# KiCad board kibot_a7dshx9q.kicad_pcb (continued)
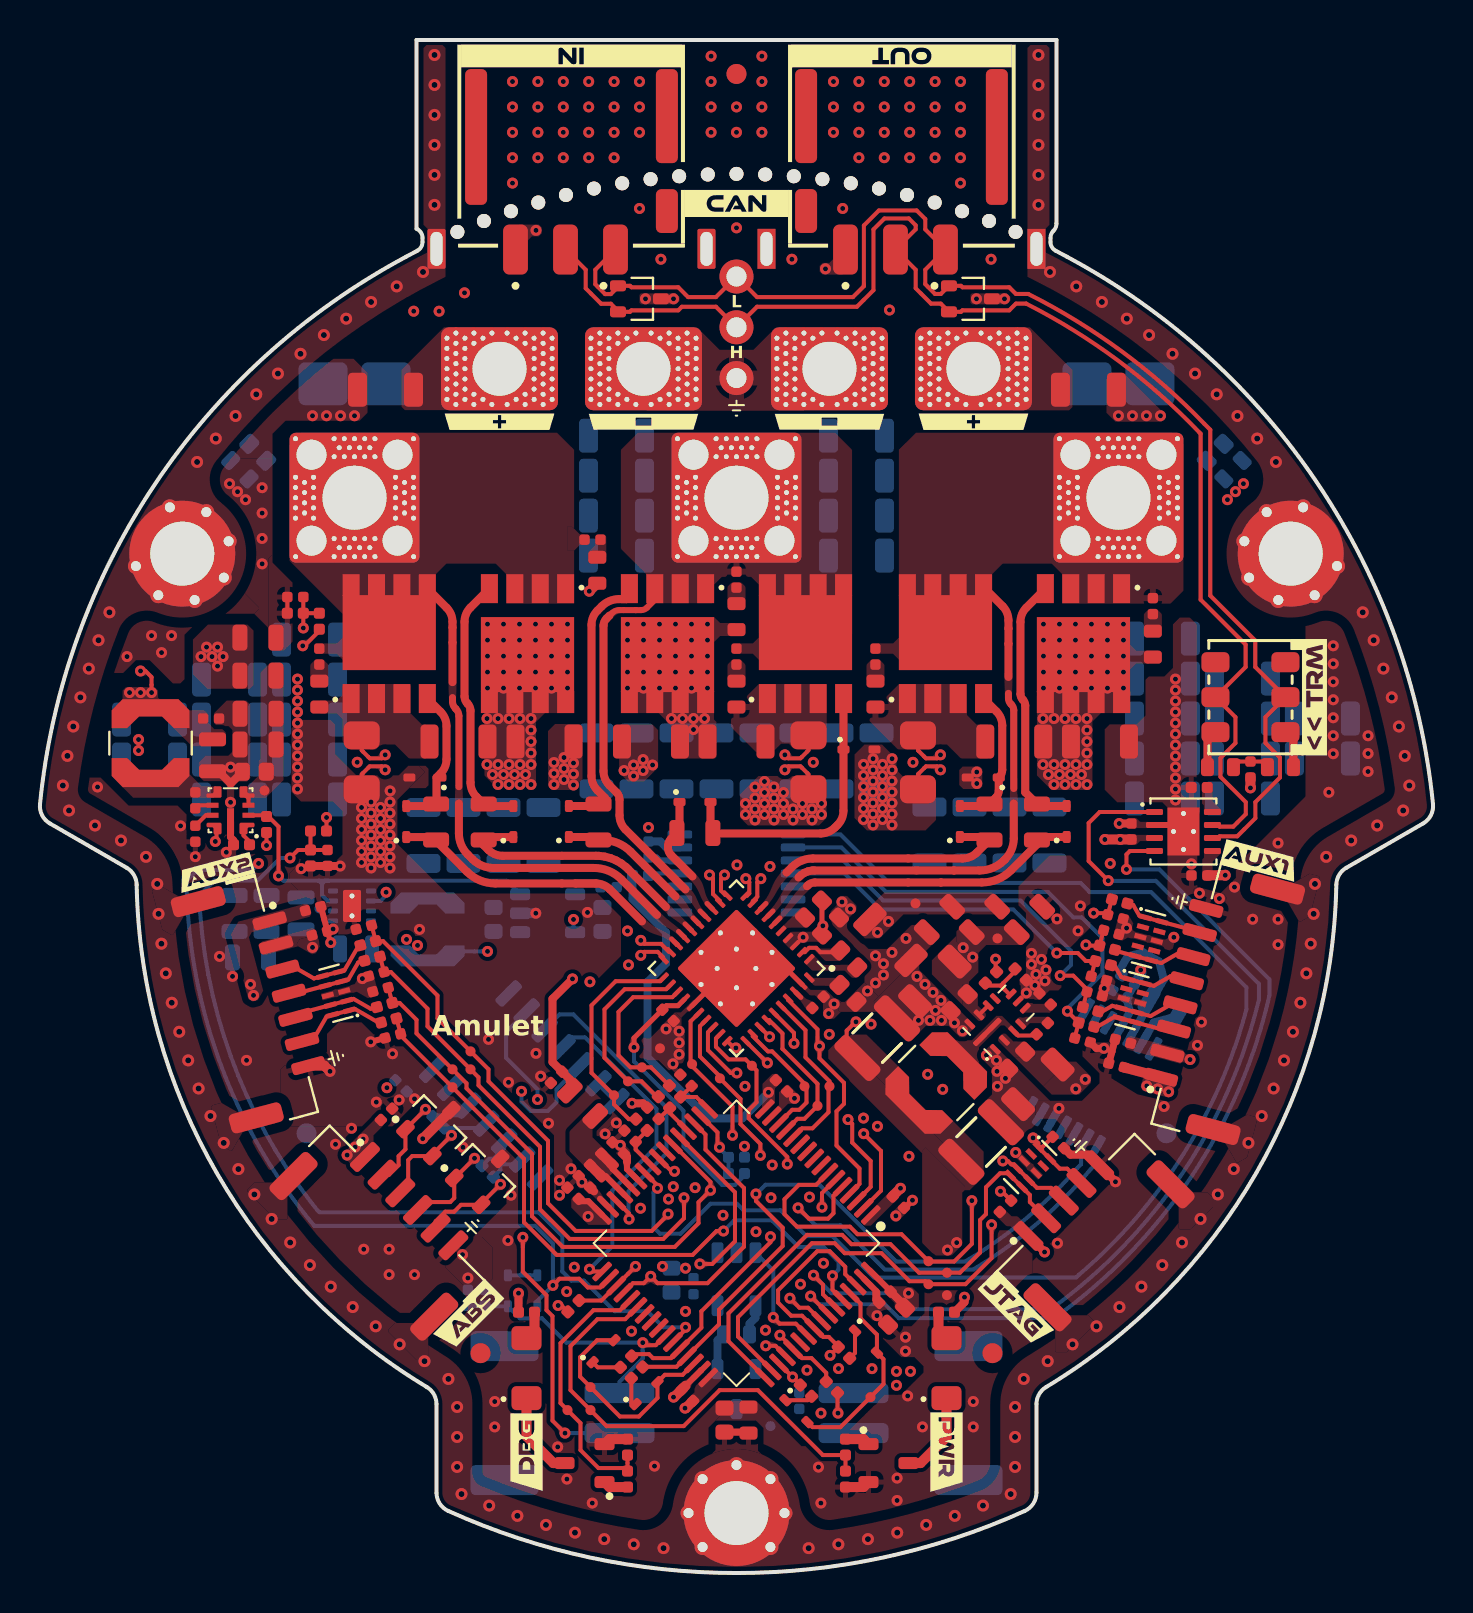
[diagram p0: board, top side]
## Routing (per net, layer and track width the routed paths; a pad name or vN(x,y) marks a point on that pad's centre or on a via; arc(x,y) is an arc through that point) (continued)

## Copper pours and planes (outline as drawn; the poured copper is in the pictures)
+3V3 on L1 (Sig, PWR): 36.1,23.28 36.1,24.45 36.63,24.98 36.88,24.98 37.1,24.75 37.1,24.6 36.75,24.25 36.75,23.53 36.33,23.1 36.28,23.1
+3V3 on L1 (Sig, PWR): 32.73,9.31 32.73,9.05 32.45,8.77 32.45,8.76 32.81,8.4 34.07,9.66 34.07,9.98 33.8,10.25 33.67,10.25
+3V3 on L1 (Sig, PWR): 13.6,30.96 12.86,31.38 12.84,31.47 12.98,31.71 13.83,31.94 13.87,31.91 14.01,31.39 13.8,31.01
+3V3 on L1 (Sig, PWR): 13.81,32.16 13.62,32.27 11,31.57 10.91,31.42 11.02,31.02 11.21,30.9 13.68,31.56 13.88,31.9
+3V3 on L1 (Sig, PWR): 48.08,18.35 48.58,17.85 48.88,17.85 49.28,17.45 48.88,17.05 48.83,17.05 48.53,17.35 48.33,17.35 47.83,17.85 47.83,18.1
+3V3 on L1 (Sig, PWR): 54.23,26.4 54.35,26.2 57.53,25.35 57.77,25.48 57.84,25.74 57.67,26.03 54.53,26.87 54.33,26.76
+3V3 on L1 (Sig, PWR): 26.85,18.99 26.57,18.71 26.57,18.28 27.43,17.42 28.44,17.42 28.44,17.55 26.99,19 26.85,19
+3V3 on L1 (Sig, PWR): 42.23,14.14 42.44,14.35 43.56,14.35 43.95,13.96 43.95,13.33 43.43,12.81 43.19,12.81 42.74,13.26 42.74,13.51 42.23,14.02
+3V3 on L1 (Sig, PWR): 42.57,19.15 42.69,19.15 42.95,18.89 42.95,18.78 41.55,17.38 41.24,17.38 41.05,17.57 41.05,17.63
+3V3 on L6 (Sig, PWR): 20,26.05 20.14,26.05 21.35,24.85 21.35,24.71 20.11,23.47 19.97,23.47 18.77,24.67 18.77,24.82
+3V3 on L6 (Sig, PWR): 29.9,34.74 29.9,35.34 30.11,35.55 30.47,35.55 30.58,35.66 30.58,35.99 30.51,36.06 29.6,36.06 29.35,35.81 29.35,34.82 29.43,34.74
+3V3 on L6 (Sig, PWR): 16.48,30.35 16.25,30.58 16.25,31.8 16.45,32 18.65,32 19.87,30.78 19.86,30.35
+3V3 on L6 (Sig, PWR): 17.89,25.23 19.26,25.23 19.26,24.84 19.04,24.62 18.09,24.62 17.46,23.99 17.25,23.99 17.06,24.18 17.06,24.4
+3V3 on L4 (Sig, PWR): 35.76,24.03 36.24,24.51 37.22,24.51 40.18,21.55 41.56,21.55 41.77,21.76 41.77,24.19 47.2,29.62 47.2,32.4 51.05,36.25 54.82,36.25 56.06,35.01 56.5,35.01 56.51,32.93 53.38,32.93 52.55,33.83 51.33,33.83 49.39,31.89 49.39,25.51 43.81,19.93 43.81,19.34 42.65,18.18 41.94,18.18 39.18,20.94 37.72,20.94 35.76,22.9
+3V3 on L4 (Sig, PWR): 4.52,30.77 4.52,15.25 20.93,-1.16 49.01,-1.16 66.15,15.98 66.15,35.1 65.09,36.16 59.18,36.16 58.03,35.01 53.81,35.01 53.27,34.47 53.27,26.1 46.46,19.29 46.47,17.69 39.99,11.21 39.99,10.72 38.1,8.83 35.2,8.83 32.79,11.25 32.79,13.24 32.5,13.53 29.73,13.53 28.15,15.11 28.15,17.67 27.61,18.21 27.31,18.21 26.77,17.67 26.77,16.61 25.31,15.15 23.14,15.15 21.54,16.75 21.54,30.46 20.06,31.96 5.69,31.96
+5V on L1 (Sig, PWR): 4.13,43.68 4.13,44.15 4.3,44.33 5.73,44.33 5.9,44.15 5.9,43.8 6.03,43.68
+5V on L1 (Sig, PWR): 55.24,25.07 55.04,24.32 55.15,24.13 56.46,23.77 56.69,23.91 56.88,24.63
+5V on L1 (Sig, PWR): 9.55,31.95 9.92,32.59 13.31,33.5 13.47,33.41 13.58,32.99 13.49,32.84 10.59,32.06 10.45,31.81 11.16,29.13 10.89,28.66 10.64,28.59 10.42,28.72
+5V on L1 (Sig, PWR): 7.61,41.36 6.7,42.27 6.7,42.7 7.16,43.16 8.22,43.16 8.42,42.96 8.42,42.52 8.72,42.22 9.12,42.22 9.3,42.04 9.3,41.53 9.13,41.36
+5V on L1 (Sig, PWR): 16.04,22 16.88,22.84 17.23,22.49 17.23,22.45 16.68,21.9 16.68,21.5 16.54,21.5
+5V on L1 (Sig, PWR): 16.82,21.45 16.27,22 16.04,22 15.08,21.04 15.08,20.78 15.61,20.25
+5V on L6 (Sig, PWR): 10.68,29.7 9.78,28.8 9.78,28.3 10.53,27.55 12.83,27.55
+5V on L6 (Sig, PWR): 10.68,32.3 10.68,30.4 10.93,30.15 11.73,30.15 11.98,30.4 11.98,32.3
+5V on L6 (Sig, PWR): 34.18,12.94 34.18,14.13 34.08,14.23 32.18,14.23 31.98,14.43 31.23,14.43 31.13,14.33 31.12,13.75 32.07,12.8 34.04,12.8
+5V on L6 (Sig, PWR): 11.98,30.4 13.23,29.15 21.48,29.15 23.19,30.86 23.19,31.76 23.38,31.95 24.5,31.95 24.5,30.83 21.22,27.55 12.83,27.55 10.68,29.7 10.68,30.4
+5V on L6 (Sig, PWR): 24.31,32.36 23.35,32.36 23.23,32.48 22.7,32.48 22.59,32.37 22.59,31.89 22.75,31.73 23.09,31.73 23.24,31.58 23.57,31.58 24.31,32.32
+5V on L3 (Sig, PWR): 0.94,51.11 7.01,51.11 11.64,46.47 11.64,26.64 24.24,14.06 24.24,10.29 24.76,9.77 28.34,9.77 31.93,13.36 32.42,13.36 32.55,13.23 32.55,11.2 35.72,8.03 42.43,8.03 44.95,10.55 44.95,12.91 54.97,22.93 54.97,35.41 54.22,36.16 53.12,36.16 52.86,36.42 52.86,36.93 53.02,37.09 55.31,37.09 56.52,35.88 56.52,28.05 64.73,19.84 64.73,13.85 48.12,-2.76 21.5,-2.76 -1.6,20.34 -1.6,48.57
+5V on L3 (Sig, PWR): 8.06,47.24 9.35,47.24 10.01,46.58 10.01,45.26 9.25,44.49 7.97,44.49 7.22,45.24 7.22,46.41
+12V on L1 (Sig, PWR): 46.26,19.17 46.12,19.03 46.12,18.22 46.12,18.22 46.12,16.42 45.57,15.87 44.76,15.87 44.11,16.52 44.11,21.1 44.3,21.29 46.26,19.33
+12V on L1 (Sig, PWR): 46.51,19.46 39.62,26.35 40.2,26.94 41.33,26.94 43.45,24.82 43.45,24 44.3,23.15 45.12,23.15 47.18,21.09 47.18,20.13
+12V on L1 (Sig, PWR): 39.88,26.61 39.42,26.15 39.42,25.69 45.96,19.15 46.49,19.15 47,19.66 40.05,26.61
+12V on L6 (Sig, PWR): 42.37,8.5 43.83,9.96 43.83,10.2 43.6,10.43 42.73,10.43 41.58,9.28 41.58,8.62 41.7,8.5
+12V on L6 (Sig, PWR): 37.81,9.27 38.39,9.27 38.62,9.5 39.31,9.5 39.31,8.5 38.62,8.5 38.37,8.75 37.82,8.75 37.81,8.76
+12V on L3 (Sig, PWR): 45.83,17 42.38,13.55 42.38,9.25 42.53,9.1 42.95,9.1 44.63,10.78 44.63,12.95 46.88,15.2 46.88,16.4 46.28,17
+A3V3 on L6 (Sig, PWR): 26.26,32.04 26.26,29.67 26.63,29.3 27.77,29.3 28.58,30.11 28.58,31.94 28.48,32.04
+A3V3 on L3 (Sig, PWR): 30.35,30.25 32.21,28.39 32.21,24.51 33.29,23.43 33.29,22.57 29.56,18.84 28.77,18.84 26.75,20.86 26.16,20.86 25.19,19.89 25.19,17.1 24.59,16.5 23.89,16.5 23.23,17.16 23.23,19.55 26.37,22.69 26.37,27 24.59,28.78 24.59,29.94 24.9,30.25
+VBAT on L1 (Sig, PWR): 33.11,44.1 33.7,43.51 33.7,42.7 33.83,42.58 33.83,40.82 33.75,40.75 31.68,40.75 31.55,40.88 31.55,42.4 30.93,43.03 29.05,43.03 29.05,44.1
+VBAT on L1 (Sig, PWR): 21.03,58.18 18.25,58.18 18.08,58.35 18.08,60.2 20.21,62.33 21.03,62.33
+VBAT on L1 (Sig, PWR): 37.13,31.65 37.13,31.6 37.58,31.15 37.65,31.15 38.03,31.53 38.98,31.53 39.15,31.7 38.77,32.09 37.56,32.09
+VBAT on L1 (Sig, PWR): 42.22,34.05 47.63,34.05 48.48,33.2 48.03,32.75 47.93,32.75 47.73,32.95 43.18,32.95 41.98,31.75 41.25,31.75 40.66,32.35 40.66,32.49
+VBAT on L1 (Sig, PWR): 55.62,46.15 54.81,46.15 54.51,46.45 54.34,46.45 54.32,46.43 54.32,45.15 54.46,45.15 54.81,45.5 55.62,45.5
+VBAT on L1 (Sig, PWR): 22.23,44.1 26.73,44.1 26.73,43.03 25.25,43.03 24.8,42.58 24.8,39.33 22.8,39.33 22.23,39.9
+VBAT on L1 (Sig, PWR): 10.5,44.24 10.68,44.42 10.68,47.15 10.38,47.45 8.39,47.45 7.65,46.71 7.65,44.97 8.37,44.24
+VBAT on L1 (Sig, PWR): 34.82,47.53 34.01,47.53 33.71,47.83 33.54,47.83 33.52,47.81 33.52,46.53 33.66,46.53 34.01,46.88 34.82,46.88
+VBAT on L1 (Sig, PWR): 49.85,43.88 50.08,44.1 54.53,44.1 54.53,43.03 53.05,43.03 52.63,42.6 52.63,39.38 52.43,39.18 50.58,39.18 49.85,39.9
+VBAT on L1 (Sig, PWR): 48.68,58.17 51.46,58.17 51.63,58.34 51.63,60.19 49.5,62.32 48.68,62.32
+VBAT on L6 (Sig, PWR): 14.53,49.65 11.13,49.65 6.43,44.95 6.43,38.89 7.42,37.9 8.48,37.9 8.56,37.98 8.56,44.83 11.83,48.1 13.3,48.1 14.25,47.15 14.53,47.15
+VBAT on L6 (Sig, PWR): 24.82,37.8 25.89,37.8 26.03,37.94 26.03,38.66 25.91,38.78 24.96,38.78 24.77,38.97 24.66,38.97 24.66,37.96
+VBAT on L6 (Sig, PWR): 46.74,37.8 43.78,37.8 43.63,37.95 43.63,38.71 43.73,38.81 46.16,38.81 46.74,38.22
+VBAT on L6 (Sig, PWR): 25.9,58.31 26.46,57.75 28.43,57.75 29.06,57.12 29.06,50.05 29.66,49.45 40,49.45 40.6,50.06 40.6,57.12 41.23,57.75 43.19,57.75 43.76,58.32 43.76,60.95 49.62,60.95 49.62,50.51 50.53,49.65 55.13,49.65 55.43,49.35 55.43,38.1 55.18,37.85 54.43,37.85 54.23,38.05 51.43,38.05 51.18,37.8 46.74,37.8 46.15,38.4 46.15,40.72 45.31,41.56 25.43,41.56 24.82,40.95 24.82,37.8 18.58,37.8 18.33,38.05 18.33,41.15 17.88,41.6 16.17,41.6 15.35,40.79 15.35,37.93 15.23,37.8 14.53,37.8 14.23,38.1 14.23,49.35 14.53,49.65 19.13,49.65 20.04,50.51 20.04,60.8 25.9,60.8
+VBAT on L6 (Sig, PWR): 55.09,49.65 58.49,49.65 63.19,44.95 63.19,38.96 62.13,37.9 61.14,37.9 61.06,37.98 61.06,44.83 57.79,48.1 56.32,48.1 55.37,47.15 55.09,47.15
+VBAT on L6 (Sig, PWR): 20.83,62.33 18,62.33 16.08,60.4 16.08,58.53 16.43,58.18 19.48,58.18 20.08,57.58 20.9,57.58 20.9,62.25
+VBAT on L6 (Sig, PWR): 48.83,62.33 51.65,62.33 53.58,60.4 53.58,58.53 53.23,58.18 50.18,58.18 49.58,57.58 48.75,57.58 48.75,62.25
+VBAT on L3 (Sig, PWR), L4 (Sig, PWR): 25.93,61.85 25.93,58.2 27.03,57.1 29.33,57.1 30.33,56.1 30.33,50.1 30.78,49.65 38.93,49.65 39.33,50.05 39.33,56.1 40.33,57.1 42.63,57.1 43.73,58.2 43.73,60.95 49.63,60.95 49.63,50.55 50.53,49.65 53.9,49.65 54.5,49.05 54.5,44.01 54.24,43.75 53.15,43.75 52.64,43.24 52.64,39.28 51.81,38.45 47.94,38.45 47.84,38.55 47.84,40.37 46.65,41.56 25.44,41.56 24.83,40.95 24.83,39.09 24.61,38.88 20.68,38.88 20.03,39.53 20.03,61.85
+VBAT on L4 (Sig, PWR): 43.48,34.2 42.33,34.2 40.88,32.75 38.33,32.75 37.88,32.3 37.88,31.83 38.22,31.49 41.69,31.49 43.05,32.85 44.14,32.85 48.74,37.45 47.98,36.7 50.28,39 50.28,39.17 49.89,39.56 48.84,39.56
/Project Architecture/Power - Generation/VCC_12V on L1 (Sig, PWR): 49.12,27.99 50.45,27.99 50.81,28.35 50.45,28.7 50.22,28.47 49.66,28.47 49.59,28.54 49.37,28.54 48.97,28.14
GND on L1 (Sig, PWR): 41.25,13.18 41.25,13.03 42.15,12.13 42.2,12.13 42.7,12.63 42.7,12.65 42.55,12.8 42.55,13.23 41.95,13.83 41.9,13.83
GND on L1 (Sig, PWR): 49.63,15.6 53.88,19.85 53.08,19.85 52.18,20.75 51.48,20.75 51.23,21 51.23,22.25 50.75,22.73 49.89,22.73 49.78,22.84 49.78,23.5 49.9,23.63 52.1,23.63 52.98,24.5 52.98,25 52.13,25.85 52.13,26.2 52.48,26.55 53.43,26.55 53.58,26.4 53.58,24.75 54.87,23.95 56.45,23.58 56.75,23.75 58.94,32.32 58.63,32.85 57.23,33.2 56.88,33.2 56.38,33.7 56.38,35.95 56.73,36.3 57.65,36.3 57.87,36.08 57.87,34.33 58.23,33.97 58.99,33.97 59.8,34.78 59.8,35.37 60.58,36.15 63.73,36.15 65.38,34.5 65.38,21.1 54.33,10.05 52.18,10.05 49.63,12.6
GND on L1 (Sig, PWR): 36.03,7.63 36.13,7.73 36.13,8.3 35.8,8.63 33.9,8.63 33.55,8.28 33.55,7.83 33.75,7.63
GND on L1 (Sig, PWR): 56.12,38.56 56.56,38.12 57.84,38.12 57.84,47.46 57.5,47.8 56.99,47.8 56.65,47.46 56.65,45.29 56.22,44.86 55.45,44.86 55.28,44.68 55.28,42.9 54.84,42.46 53.49,42.46 53.24,42.21 53.24,39.19 53.87,38.56
GND on L1 (Sig, PWR): 49.88,19.65 49.82,19.65 48.54,20.93 48.54,21.11 48.72,21.28 48.9,21.28 50.18,20.01 50.18,19.95
GND on L1 (Sig, PWR): 23.33,18.48 23.33,19.9 23.13,20.1 22.82,20.1 22.62,19.9 22.62,20.06 23.72,21.16 25.13,19.75 25.13,8.65 26.18,7.6 28.88,7.6 29.43,7.05 32.33,7.05 33.64,8.36 33.94,8.36 34.05,8.25 34.05,7.9 33.43,7.28 33.43,0.45 32.18,-0.8 23.13,-0.8 18.48,3.85 18.48,10.35 21.27,13.14 21.27,16.42
GND on L1 (Sig, PWR): 50.6,23.54 50.6,23.27 48.81,21.47 46.97,23.31 47.6,23.94 47.6,25.23 47.09,25.74 47.09,25.98 47.59,26.48 47.66,26.48
GND on L1 (Sig, PWR): 11.63,50.95 11.63,50.55 12.63,49.55 12.63,46.6 12.18,46.15 11.58,46.15 11.43,46.3 11.43,50.75
GND on L1 (Sig, PWR): 57.31,34.76 57.31,35.61 56.98,35.94 56.98,36.12 57.03,36.17 57.78,36.17 57.85,36.1 57.85,34.76
GND on L1 (Sig, PWR): 36.45,22.93 36.95,23.43 36.95,24.05 37.33,24.43 37.43,24.43 38,23.85 38,23.65 37.83,23.48 37.4,23.48 36.65,22.73
GND on L1 (Sig, PWR): 19.77,22.67 19.77,22.79 20.88,23.9 20.98,23.9 23.77,21.11 23.77,21.05 22.62,19.9 22.5,19.9 22.15,20.25 22.15,21 21.9,21.25 21.5,21.25 21.26,21.01 21.03,21.01 20.85,21.19 20.85,21.4 21.13,21.68 21.13,22.03 20.82,22.34 20.1,22.34
GND on L1 (Sig, PWR): 20.98,23.9 18.53,26.35 17.78,26.35 17.53,26.6 17.53,26.7 17.28,26.95 16.68,26.95 16.08,27.55 14.93,27.55 14.35,26.98 14.35,26.08 13.88,25.6 13.38,25.6 13.18,25.4 12.23,25.4 12.03,25.2 12.03,22.8 12.48,22.35 17.63,22.35 18.98,23.7 19.43,23.7 19.83,23.3 19.83,22.85 19.77,22.79 19.87,22.79
GND on L1 (Sig, PWR): 31.07,27.32 30.49,26.74 30.31,26.74 29.69,27.37 29.55,27.37 29.29,27.11 29.29,26.05 29.69,25.65 30.94,25.65 31.77,24.82 31.95,24.82 32.24,25.11 32.24,26.99 31.91,27.32
GND on L1 (Sig, PWR): 14.52,42.68 13,42.68 12.58,42.26 12.58,39.08 13.05,38.6 14.65,38.6 15.13,38.12 15.13,35.95 14.68,35.5 12.98,35.5 12.48,35 12.48,34.6 14.08,33 14.08,32.15 14.28,31.95 15.83,31.95 15.98,32.1 15.98,33.05 16.13,33.2 16.93,33.2 17.48,32.65 17.48,30.13 25.7,21.9 25.7,19.78 25.98,19.5 26.03,19.5 26.63,20.1 26.63,21 27.49,21.86 27.99,21.86 28.94,22.81 28.94,22.84 26.08,25.7 26.08,27.9 29.05,30.88 29.05,32.83 27.88,34 20.35,34 17.87,36.48 17.87,38.68 19.23,40.04 19.23,40.09 18.93,40.39 18.41,40.39 17.94,39.91 15.82,39.91 14.76,40.97 14.76,42.44
GND on L1 (Sig, PWR): 29.08,42.45 30.63,42.45 30.91,42.18 30.91,40.3 30.21,39.6 29.41,39.6 28.96,40.05 28.96,42.33
GND on L1 (Sig, PWR): 63.28,47.75 62.73,48.3 62.73,48.85 63.43,49.55 68.88,49.55 70.58,47.85 70.58,37.45 67.68,34.55 61.48,34.55 60.53,35.5 60.53,36.1 63.28,38.85
GND on L1 (Sig, PWR): 40.38,32.7 40.83,33.15 40.83,33.4 40.35,33.88 40,33.88 39.83,33.7 39.83,33.2 40.33,32.7
GND on L1 (Sig, PWR): 12.03,22.8 6.43,22.8 6.43,20.2 7.93,18.7 13.18,18.7 14.08,19.6 14.08,20.75
GND on L1 (Sig, PWR): 14.05,29.01 15.74,29.47 16.06,30.02 16.54,30.15 16.63,30.09 16.93,28.98 16.88,28.89 16.39,28.76 15.84,29.08 14.15,28.63
GND on L1 (Sig, PWR): 53.63,60.05 54.18,60.05 56.18,58.05 56.18,57.7 56.08,57.6 53.78,57.6 53.33,58.05 53.33,59.75
GND on L1 (Sig, PWR): 27.83,19.25 27.83,19.33 26.63,20.53 26.45,20.53 25.7,19.78 25.7,18.78 25.85,18.63 26.08,18.63 26.7,19.25 27.18,19.25 27.45,18.98 27.55,18.98
GND on L1 (Sig, PWR): 38.25,29.45 38.53,29.18 39.45,29.18 40.05,28.58 40.05,28.08 39.7,27.73 39.3,27.73 39.15,27.88 39.15,28.5 38.75,28.9 38.5,28.9 38.1,29.3
GND on L1 (Sig, PWR): 15.8,35.33 16.23,34.9 17.53,34.9 17.78,35.15 17.78,39.55 17.53,39.8 16.13,39.8 15.8,39.48
GND on L1 (Sig, PWR): 35,37.8 35,38.95 35.93,39.88 37.83,39.88 38,39.7 39.2,39.7 39.33,39.58 39.33,37.78 38.95,37.4 35.4,37.4
GND on L1 (Sig, PWR): 57.3,39.46 57.3,38.61 56.97,38.28 56.97,38.1 57.02,38.05 57.77,38.05 57.84,38.12 57.84,39.46
GND on L1 (Sig, PWR): 41.23,29.56 40.25,28.58 40.05,28.58 39.94,28.46 39.94,28.12 39.98,28.08 41.95,28.08 42.21,28.33 42.21,28.58
GND on L1 (Sig, PWR): 15.28,20.72 15.28,21.81 16.63,23.15 12.03,23.15 12.03,22.75 14.08,20.7 14.08,20.1 11.48,17.5 11.48,15.1 14.63,11.95 17.58,11.95 19.98,14.35 20.78,14.35 21.38,13.75 21.68,14.05 21.68,14.32
GND on L1 (Sig, PWR): 43.85,30.29 43.39,30.29 41.69,28.6 43.6,26.68 44.29,27.38 45.43,27.38 46,26.81 46.25,26.81 46.72,27.28 46.72,27.42
GND on L1 (Sig, PWR): 25.4,42.13 25.75,42.48 27,42.48 27.13,42.35 27.13,39.73 26.58,39.18 25.6,39.18 25.4,39.38
GND on L1 (Sig, PWR): 29.52,20.94 29.52,21.14 29.26,21.4 29.26,21.81 29.54,22.09 29.54,22.21 28.94,22.81 28.69,22.81 27.95,22.07 27.95,21.86 29.14,20.67 29.25,20.67
GND on L1 (Sig, PWR): 11.43,46.3 11.43,47.28 10.71,47.99 10.69,47.99 10.05,48.64 10.05,51.88 9.53,52.4 9.53,52.45 8.7,51.62 8.7,55.25 9.69,56.25 11.21,56.25 11.63,55.83 11.63,48 12.18,47.45 12.18,46.3
GND on L1 (Sig, PWR): 57.46,33.36 57.7,34.23 57.87,34.33 59.22,33.97 59.33,33.77 59.09,32.87 57.5,33.3
GND on L1 (Sig, PWR): 45.97,40.18 46.14,40.35 46.99,40.35 47.12,40.23 47.12,39.35 46.99,39.23 46.17,39.23 45.97,39.43
GND on L1 (Sig, PWR): 48.93,28.81 49.04,28.92 49.04,29.38 48.98,29.44 48.98,29.7 49.28,30 49.37,30 50.29,29.08 50.29,28.96 50.01,28.68 49.74,28.68 49.7,28.72 49.2,28.72 49.11,28.63
GND on L1 (Sig, PWR): 10.71,47.99 8.28,47.99 7.23,46.94 7.23,44.72 7.02,44.51 6.65,44.51 5.49,45.67 4.8,45.67 4.16,45.03 2.52,45.03 1.12,46.43 1.12,47.48 3.24,49.6 9.66,49.6 10.95,48.31 10.95,48.23
GND on L1 (Sig, PWR): 53.97,32.99 54.04,33.03 54.43,32.92 54.67,32.51 54.6,32.27 54.68,32.13 56.28,31.7 56.41,31.77 56.65,31.71 56.73,31.56 56.65,31.24 56.49,31.15 56.25,31.22 56.19,31.31 54.39,31.79 54.12,31.64 53.7,31.75 53.66,31.83
GND on L1 (Sig, PWR): 55.36,28.64 53.85,29.04 53.7,29.3 53.78,29.58 53.63,29.84 53.2,29.95 53.11,29.9 52.8,28.76 52.85,28.69 53.26,28.58 53.51,28.72 55.26,28.25
GND on L1 (Sig, PWR): 51.53,35.9 52.53,34.9 52.53,32.3 51.43,31.2 50.58,31.2 50.23,30.85 50.23,30.35 51.08,29.5 51.08,29.3 50.93,29.15 50.48,29.15 50.23,28.9 49.3,29.83 49.3,33.03 48.93,33.4 48.93,34.35 50.48,35.9
GND on L1 (Sig, PWR): 3.18,35.64 1.21,37.6 1.21,39.29 1.73,39.8 3.03,39.8 4.43,38.4 6.88,38.4 7.33,37.95 7.33,36.2 6.76,35.64
GND on L1 (Sig, PWR): 19.43,39.42 19.28,39.27 18.39,39.27 18.2,39.47 18.2,40.12 18.46,40.39 19.28,40.39 19.43,40.24
GND on L1 (Sig, PWR): 30.33,62.3 32.88,62.3 33.98,61.2 35.68,61.2 36.78,62.3 38.23,62.3 38.23,58.2 38.18,58.15 30.33,58.15
GND on L1 (Sig, PWR): 9.35,38.25 9.35,39.39 9.12,39.62 8.19,39.62 7.95,39.86 7.95,40.57 8.27,40.89 9.42,40.89 9.62,41.09 9.62,42.18 9.43,42.37 8.85,42.37 8.7,42.52 8.7,43.01 9.34,43.65 10.32,43.65 10.52,43.45 10.52,39.76 10.36,39.6 9.88,39.6 9.71,39.43 9.71,38.25
GND on L1 (Sig, PWR): 42.55,12.8 43,12.35 43.58,12.35 44.23,13 44.23,14.05 43.53,14.75 43.53,15.4 43.63,15.5 46.23,15.5 47.88,17.15 48.53,17.15 49.63,16.05 49.63,14.9 48.83,14.1 48.83,13.6 50.53,11.9 50.53,3.5 47.33,0.3 39.88,0.3 36.18,4 36.18,7.25 35.75,7.68 35.75,7.98 36.1,8.33 38.08,6.35 39.68,6.35 42.25,8.92 43.07,8.92 44.18,10.03 44.18,10.35 43.73,10.8 43.08,10.8 42.15,11.73 42.15,12.4
GND on L1 (Sig, PWR): 39.53,33.1 39.53,32.53 41.23,30.83 41.23,29.56 41.69,29.09 41.69,28.6 41.91,28.38 42.5,28.38 43.69,29.56 43.69,29.72 43.96,29.44 43.96,30.79 44.68,31.5 44.68,32.25 44.5,32.43 43.58,32.43 42.38,31.23 41.43,31.23 40.4,32.25 40.4,32.93 39.93,33.4 39.83,33.4
GND on L1 (Sig, PWR): 31.02,27.32 31.02,27.11 31.29,26.84 32.09,26.84 32.24,26.99 32.24,27.22 32.08,27.38 32.08,27.73 31.76,28.05 31.75,28.05
GND on L1 (Sig, PWR): 42.83,40.18 43.2,39.8 44.5,39.8 44.8,39.5 44.8,37.68 44.28,37.15 41.35,37.15 40.73,37.78 40.73,39.85 41.05,40.18
GND on L1 (Sig, PWR): 31.55,27.84 31.76,28.05 32.05,28.05 32.65,28.65 32.74,28.65 32.87,28.52 32.87,28.47 32.49,28.09 32.38,28.09 32.08,27.79 32.08,27.64 31.91,27.47 31.55,27.83
GND on L1 (Sig, PWR): 11.63,55.83 11.63,57 12.28,57.65 15.98,57.65 16.38,58.05 16.38,60.05 15.68,60.75 12.78,60.75 9.83,57.8 9.83,55.75 11.55,55.75
GND on L1 (Sig, PWR): 21.14,16.82 22.1,16.82 22.62,16.3 22.62,14.7 22.21,14.29 21.27,14.29 20.29,15.27 20.29,15.96
GND on L1 (Sig, PWR): 12.23,25.4 12.78,25.4 10.6,32.91 10.63,33.02 13.48,33.74 13.48,35.25 12.8,35.93 10.8,35.93 9.79,36.94 4.48,36.94 3.18,35.64 3.18,26.8 7.03,22.95 11.88,22.95 12.58,23.65 12.58,25.05
GND on L1 (Sig, PWR): 40.85,39.67 40.73,39.8 40.73,40.96 41.23,41.45 42.1,41.45 42.83,40.73 42.83,39.96 42.55,39.68
GND on L6 (Sig, PWR): 39.8,50.05 39.91,50.16 39.91,57.55 41.11,58.75 41.11,58.78 38.07,58.78 38.07,58.18 38.7,57.55 38.7,50.42 39.07,50.05
GND on L6 (Sig, PWR): 19.13,63.4 26.68,63.4 27.28,62.8 27.28,61.75 33.13,61.75 33.13,64.25 31.03,66.35 17.48,66.35 16.83,65.7
GND on L6 (Sig, PWR): 64.64,46.87 64.17,46.4 64.17,40.15 67.68,36.64 71.01,36.64 71.63,37.26 71.63,45.66 70.42,46.87
GND on L6 (Sig, PWR): 44.75,31.46 45.38,32.08 46.7,32.08 50.18,28.6 50.9,28.6 51.47,29.17 51.47,29.21 47.68,33 44.12,33 44.12,32.09
GND on L6 (Sig, PWR): 29.86,50.05 29.75,50.16 29.75,57.55 28.55,58.75 28.55,58.78 31.59,58.78 31.59,58.18 30.96,57.55 30.96,50.42 30.59,50.05
GND on L6 (Sig, PWR): 37.38,6.2 42.53,6.2 42.83,6.5 42.83,8.68 44.45,10.3 47.98,10.3 48.13,10.15 48.13,6 47.88,5.75 44.53,5.75 44.13,5.35 44.13,0.55 43.38,-0.2 39.03,-0.2 36.63,2.2 36.63,5.45
GND on L6 (Sig, PWR): 32.35,38.13 32.58,37.9 32.58,32.6 32.43,32.45 29.38,32.45 29.08,32.15 29.08,28 33.73,23.35 34.78,23.35 36.13,24.7 36.78,24.7 37.13,24.35 37.13,23.7 34.98,21.55 34.98,21.25 35.88,20.35 42.88,20.35 43.63,19.6 43.63,19.15 43.18,18.7 42.53,18.7 42.03,19.2 41.18,19.2 40.88,18.9 40.88,18.06 43.03,15.91 47.74,15.91 51.98,20.15 51.98,20.75 50.58,22.15 49.73,22.15 48.98,22.9 48.98,23.05 49.53,23.6 49.53,24.57 44.1,30 44.1,30.81 44.99,31.7 44.99,32.24 44.24,32.99 41.95,32.99 40.39,34.55 38.17,34.55 38.13,34.51 38.13,32.78 37.95,32.6 37.33,32.6 37.08,32.85 37.08,37.8 37.63,38.35 32.58,38.35
GND on L6 (Sig, PWR): 11.23,56.1 9.93,54.8 9.23,54.8 8.73,54.3 8.73,51.25 9.78,50.2 11.33,50.2 11.83,50.7 11.83,55.75 11.48,56.1
GND on L6 (Sig, PWR): 24.1,32.71 23.39,32.71 23.18,32.92 22.88,32.92 22.79,33.01 22.79,33.52 22.95,33.68 23.15,33.68 23.52,33.31 23.84,33.31 24.1,33.05
GND on L6 (Sig, PWR): 49.52,29.26 53.34,25.44 53.34,24.41 52.4,23.47 50.81,23.47 50.38,23.04 50.38,22.5 51.63,21.25 53.03,21.25 53.03,20.75 48.3,16.03 48.3,15.2 48.78,14.73 51.8,14.73 54.23,17.15 57.48,21.21 59.36,25.65 60.13,28.21 60.13,29.1 55.63,33.6 53.78,33.6 53.28,33.1 53.28,31.9 53.68,31.5 55.78,31.5 56.67,30.61 56.67,29.59 56.37,29.26
GND on L6 (Sig, PWR): 24.88,10.25 25.35,10.72 25.35,12.07 25.88,12.6 27.17,12.6 28.68,11.09 28.68,10.5 28.08,9.9 27.23,9.9 26.88,9.55 26.88,6.4 27.13,6.15 30.83,6.15 31.23,6.55 31.23,11.55 31.38,11.7 32.68,11.7 33.13,11.25 33.13,9.3 34.13,8.3 34.13,0.6 32.58,-0.95 27.68,-0.95 25.53,1.2 25.53,5.25 24.88,5.9 20.03,5.9 18.28,7.65 18.28,9 19.53,10.25
GND on L6 (Sig, PWR): 21.28,13.91 22.39,13.91 22.53,14.05 22.53,14.92 22.4,15.05 21.26,15.05 21.13,14.92 21.13,14.06
GND on L6 (Sig, PWR): 5.37,44.98 7.01,46.61 7.01,48.88 6.28,49.61 2.92,49.61 2.92,47.43
GND on L6 (Sig, PWR): 12.79,30.55 12.38,30.96 12.38,32.45 12.68,32.75 14.96,32.75 15.16,32.95 15.16,33.82 15.03,33.95 14.4,33.95 14.4,34.25 16.8,34.25 16.8,34 16.23,34 16.05,33.82 16.05,32.43 15.35,31.73 15.35,30.68 15.22,30.55
GND on L6 (Sig, PWR): 9.08,32.3 10.38,32.3 10.38,30.4 10.13,30.15 9.33,30.15 9.08,30.4
GND on L6 (Sig, PWR): 21.73,27.25 25.53,23.45 25.53,22.85 25.88,22.5 26.43,22.5 26.69,22.76 26.69,23.07 26.97,23.35 29.54,23.35 30.43,22.46 30.43,21.6 27.23,18.4 26.28,18.4 21.68,23 21.68,25 20.33,26.35 19.68,26.35 18.98,25.65 17.73,25.65 16.78,24.7 16.78,24.05 17.18,23.65 18.33,23.65 18.58,23.9 18.79,23.69 18.79,22.59 20.08,21.3 20.73,21.3 21.03,21.6 21.23,21.6 21.43,21.4 21.43,21.1 21.18,20.85 21.18,20.25 22.48,18.95 23.23,18.95 23.48,19.2 23.73,19.2 23.93,19 23.93,18.75 23.73,18.55 13.38,18.55 11.43,20.5 10.03,23.15 9.03,25.7 9.03,26.95 9.33,27.25
GND on L6 (Sig, PWR): 28.56,33.99 28.41,33.84 27.71,33.84 27.11,33.24 27.11,32.91 27.26,32.76 29.11,32.76 29.29,32.94 29.29,34.49 29.19,34.59 28.64,34.59 28.56,34.51
GND on L6 (Sig, PWR): 23.18,17.05 23.53,16.7 23.53,15.9 23.08,15.45 22.78,15.45 22.53,15.2 22.53,14.92 21.51,13.9 20.98,13.9 20.58,13.5 20.58,12.05 20.33,11.8 14.93,11.8 12.08,14.65 12.08,15.2 13.93,17.05
GND on L6 (Sig, PWR): 29.1,30.15 27.73,28.78 27.73,28.03 28.53,27.23 28.88,27.23 29.38,27.73 29.38,29.88
GND on L6 (Sig, PWR): 38.2,8.47 38.4,8.27 39.21,8.27 39.34,8.14 39.34,7.85 39.22,7.73 38,7.73 37.71,8.02 37.71,8.28 37.9,8.47
GND on L6 (Sig, PWR): 59.05,38.98 60.83,37.2 62.48,37.2 64.17,38.89 64.17,40.15 67.43,36.89 67.43,33.55 64.78,30.9 61.08,30.9 56.73,35.25 56.73,36.65
GND on L6 (Sig, PWR): 42.38,61.75 42.38,62.8 42.98,63.4 45.57,63.4 45.85,63.68 45.85,64.05 47,65.2 48.22,65.2 49.18,66.16 49.18,66.4 49.04,66.54 38.82,66.54 36.53,64.25 36.53,61.75
GND on L6 (Sig, PWR): 58.43,56.1 59.73,54.8 60.88,54.8 61.43,54.25 61.43,53.95 60.63,53.15 58.8,53.15 57.83,54.12 57.83,55.75 58.18,56.1
GND on L6 (Sig, PWR): 35.58,10.7 36.43,10.7 37.63,11.9 37.63,12.3 38.33,13 42.03,13 42.73,12.3 43.63,12.3 43.83,12.1 43.83,11.2 43.38,10.75 42.53,10.75 41.73,9.95 38.78,9.95 38.43,9.6 35.58,9.6 35.48,9.7 35.48,10.6
GND on L6 (Sig, PWR): 3.78,47.41 5.49,45.7 5.49,40.15 1.98,36.64 -1.35,36.64 -1.97,37.26 -1.97,45.66 -0.22,47.41
GND on L6 (Sig, PWR): 34.53,15.95 34.53,15.2 34.28,14.95 32.98,14.95 32.28,15.65 31.23,15.65 31.13,15.55 31.13,14.9 31.28,14.75 32.08,14.75 32.38,14.45 34.93,14.45 35.13,14.65 35.13,15.9 35.08,15.95
GND on L6 (Sig, PWR): 30.17,36.63 30.17,37.05 30.11,37.11 29.37,37.11 29.37,37.71 29.46,37.79 30.75,37.79 30.91,37.63 30.91,37.41 30.69,37.19 30.69,36.63
GND on L6 (Sig, PWR): 56.5,45.78 57.48,46.75 57.93,46.75 60.38,44.3 60.38,37.2 58.38,35.2 56.78,35.2 56.13,35.85 53.33,35.85 52.28,34.8 42.73,34.8 40.13,37.4 29.78,37.4 27.28,34.9 13.33,34.9 9.23,39 9.23,44.3 11.64,46.71 12.17,46.71 13.15,45.73 13.15,37.83 14.08,36.9 15.58,36.9 15.8,37.13 15.8,39.24 15.97,39.4 17.64,39.4 17.78,39.26 17.78,37.3 18.18,36.9 26.08,36.9 26.68,37.5 26.68,38.71 26.12,39.27 25.7,39.27 25.55,39.42 25.55,40.74 25.78,40.96 42.67,40.96 42.98,40.65 42.98,37.2 43.28,36.9 51.63,36.9 52.28,37.55 53.53,37.55 53.88,37.2 55.63,37.2 56.5,38.08
GND on L6 (Sig, PWR): 26.69,23.74 26.69,23.07 28.65,21.11 29.08,21.11 30.43,22.46 30.43,23.4 28.45,25.37 28.31,25.37
GND on L6 (Sig, PWR): 56.99,28.54 58.42,27.71 58.51,27.37 58.08,26.64 57.74,26.54 56.31,27.37
